# Altium PCB AMDC_uAMDC_Overlay.PcbDoc (part 5 of 6)
Units mil, origin at the board's own origin, x right, y up, seen from the top; angles counter-clockwise.
Board outline 4335 x 5120 mil, 6 copper layers (Top Layer, Int1 (GND), Int2 (Sign), Int3 (Sign), Int4 (PWR), Bottom Layer), stack 55.468 mil thick; 396 components, 471 nets, 2094 pads, 683 vias.
Unrouted connection lines stored in the file: 618.
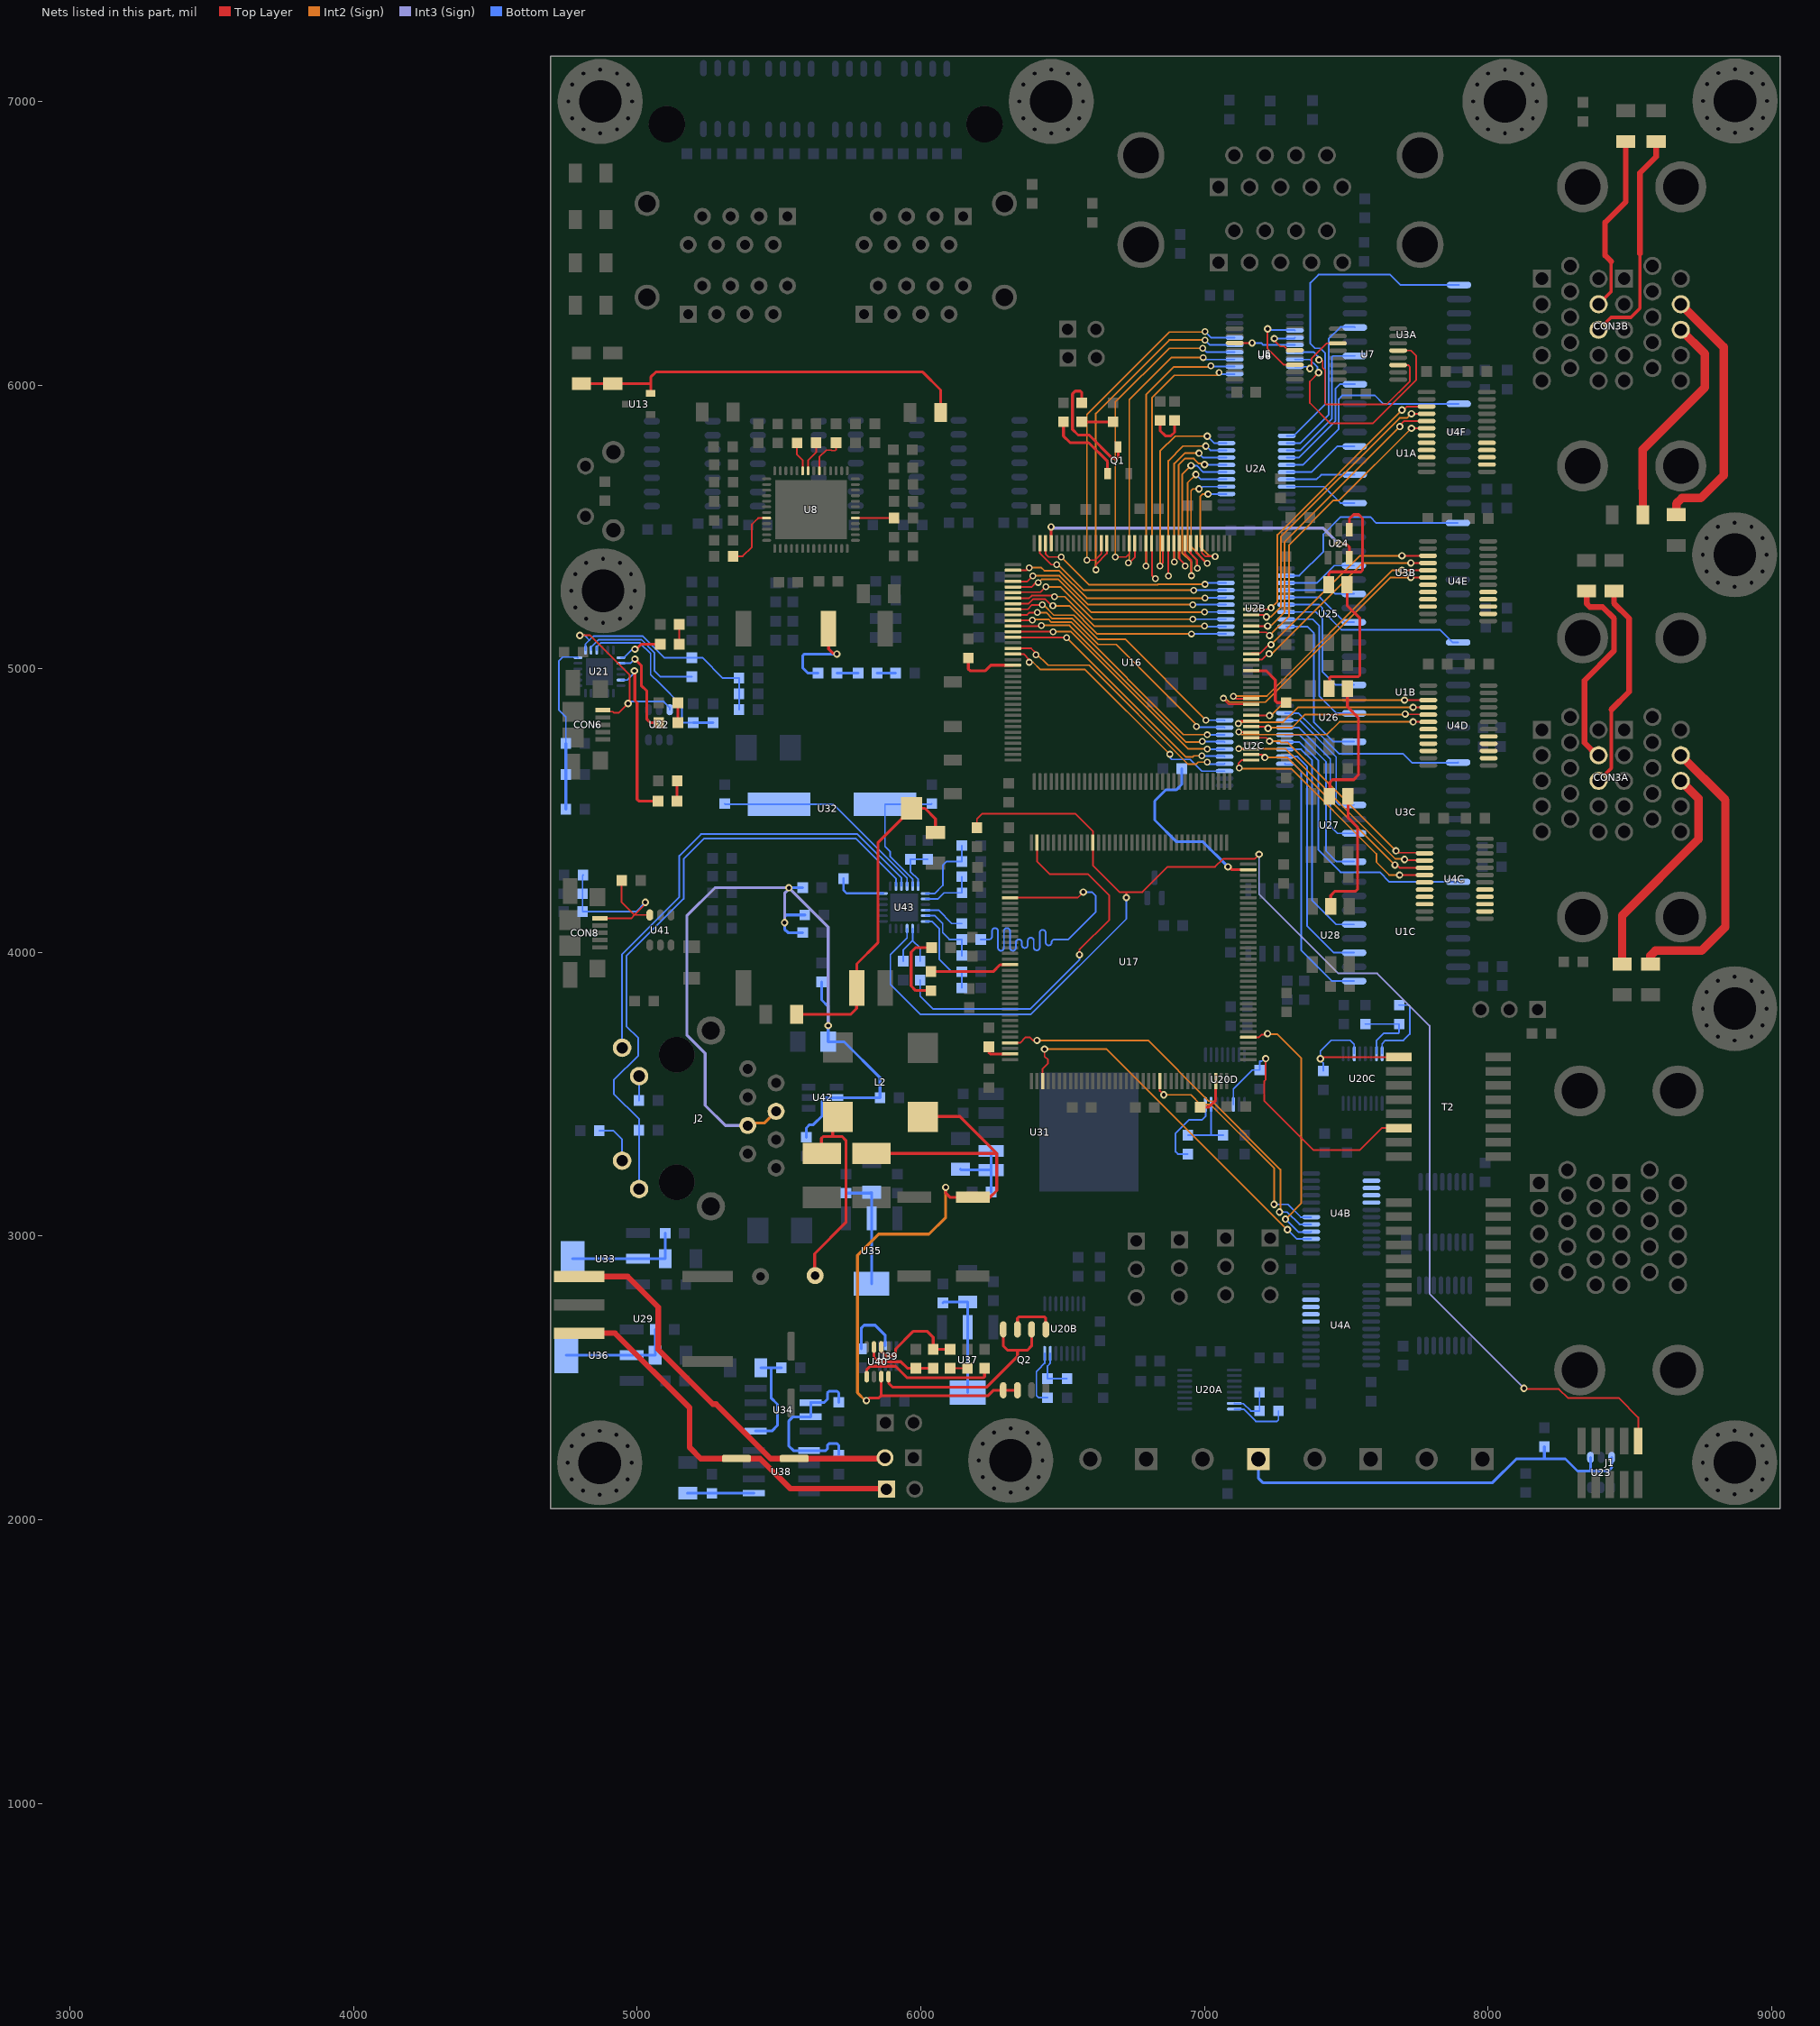
[diagram p8: the nets of this part, all layers, seen from the top]

## Via types
v1: diameter 26, hole 14, Top Layer to Bottom Layer, tented both sides, 326 vias
v2: diameter 26, hole 14, Top Layer to Bottom Layer, 288 vias
v3: diameter 24, hole 14, Top Layer to Bottom Layer, 57 vias
v4: diameter 24, hole 14, Top Layer to Bottom Layer, tented both sides, 5 vias
v5: diameter 19.68, hole 7.87, Top Layer to Bottom Layer, 4 vias
v6: diameter 60, hole 20, Top Layer to Bottom Layer, tented both sides, 3 vias

## Nets (pads, with @x,y where several pads share a name; then routed paths per layer and width w, separated by ;. In a path a pad name is that pad's centre, name@x,y a point inside that pad or via, vN(x,y) a via of type N, cw(c..) or ccw(c..) an arc to the next point about the centre after c; other vN are vias at no path point) (continued)
IPC: R105.1 T2.1 U20C.11 | length 527.9
  Top Layer w6: v2(7409.15,3625.37) 7414.51,3630.73 7685.73,3630.73 T2.1@7686,3631
  Bottom Layer w6: R105.1@7419.35,3582.46 7419.35,3610.17 7409.15,3620.37 v2(7409.15,3625.37) 7409.15,3652.45 7447.15,3690.45 7514.55,3690.45 7528.47,3676.53 U20C.11@7528.47,3642.87
IPD: R106.1 T2.6 U20D.11 | length 960.3
  Top Layer w6: v2(7216.51,3625.72) 7216.51,3551.41 7211,3545.9 7211,3477 7384,3304 7548.27,3304 7625.27,3381 T2.6@7686,3381
  Bottom Layer w6: U20D.11@7102.53,3464.4 7102.53,3518.54 7169.46,3585.46 R106.1@7195.68,3585.46 7195.68,3616.56 7201.93,3616.56 7211.1,3625.72 v2(7216.51,3625.72)
LED0: LED1.A U17.55 | length 288.9
  Top Layer w10: LED1.A@6036,3932.46 6255.36,3932.46 6279.47,3956.57 6314.2,3956.57 U17.55@6314.71,3957.08
LV_ENC_1A: U6.21 U16.96 | length 1262.5
  Top Layer w6: v3(6586,5383) 6615.03,5383 6636.81,5404.78 U16.96@6636.81,5442.66
  Int2 (Sign) w6: v3(6586,5383) 6586,5897 6876,6187 7000.31,6187 v4(7002.3,6189)
  Bottom Layer w6: v4(7002.3,6189) 7024.33,6166.98 U6.21@7106.7,6166.98
LV_ENC_1B: U6.20 U16.95 | length 1265.7
  Top Layer w6: v3(6617.13,5348.75) 6617.13,5367.13 6656.5,5406.5 U16.95@6656.5,5442.66
  Int2 (Sign) w6: v3(6617.13,5348.75) 6617.13,5900.12 6876,6159 v3(7002.3,6159)
  Bottom Layer w6: v3(7002.3,6159) 7019.92,6141.39 U6.20@7106.7,6141.39
LV_ENC_1Z: U6.19 U16.91 | length 1142.6
  Top Layer w6: v3(6686,5394) 6724,5394 6735.24,5405.24 U16.91@6735.24,5442.66
  Int2 (Sign) w6: v3(6686,5394) 6686,5940 6876,6130 v3@6993,6130
  Bottom Layer w6: v3@6993,6130 v3(6994.29,6130) 7008.49,6115.8 U6.19@7106.7,6115.8
LV_ENC_2A: U6.18 U16.90 | length 1094.4
  Top Layer w6: v3(6731.92,5373.02) 6735.26,5373.02 6754.92,5392.69 U16.90@6754.92,5442.66
  Int2 (Sign) w6: v3(6731.92,5373.02) 6735.24,5376.33 6735.24,5949.24 6883.2,6097.2 v4@6993,6097.2
  Bottom Layer w6: v4@6993,6097.2 6997.87,6097.2 7004.87,6090.2 U6.18@7106.7,6090.2
  other v4: 6995.44,6097.2
LV_ENC_2B: U6.17 U16.88 | length 1039
  Top Layer w6: v3(6794.29,5362.72) U16.88@6794.29,5442.66
  Int2 (Sign) w6: v3(6794.29,5362.72) 6794.29,5966.29 6892.31,6064.31 7019.43,6064.31 v3(7022.53,6067.4)
  Bottom Layer w6: v3(7022.53,6067.4) 7023.92,6066.01 7105.31,6066.01 U6.17@7106.7,6064.61
LV_ENC_2Z: U6.16 U16.87 | length 1105.9
  Top Layer w6: U16.87@6813.98,5442.66 6815.29,5441.35 6815.29,5329.47 v3(6827,5317.76)
  Int2 (Sign) w6: v3(6827,5317.76) 6815.29,5329.47 6815.29,5954.96 6894.88,6034.55 7048.68,6034.55 7048.75,6034.62 7048.75,6039.99 v3(7052.2,6043.43)
  Bottom Layer w6: v3(7052.2,6043.43) 7055.71,6039.92 7055.71,6039.02 U6.16@7106.7,6039.02
LV_INV1_PWM1: U2B.6 U16.113 | length 812.9
  Top Layer w6: U16.113@6325,5288.33 6390.93,5288.33 6410.2,5307.6 v3(6413.67,5304.13)
  Int2 (Sign) w6: v3(6413.67,5304.13) 6416.15,5304.13 6427.72,5315.7 6484.49,5315.7 6600.19,5200 v3(7001,5200)
  Bottom Layer w6: v3(7001,5200) 7001.2,5200.2 U2B.6@7075.7,5200.2
LV_INV1_PWM2: U2B.5 U16.114 | length 806.5
  Top Layer w6: U16.114@6325,5268.65 6326.35,5270 6421.47,5270 6440.47,5289 v3(6441.23,5289)
  Int2 (Sign) w6: v3(6441.23,5289) 6491.87,5289 6606.26,5174.61 v3(6959.36,5174.61)
  Bottom Layer w6: v3(6959.36,5174.61) U2B.5@7075.7,5174.61
LV_INV1_PWM3: U2B.4 U16.115 | length 799.6
  Top Layer w6: U16.115@6325,5248.96 6382.41,5248.96 6391.45,5258 6467.21,5258 v3(6470.94,5254.27)
  Int2 (Sign) w6: v3(6470.94,5254.27) 6508.25,5254.27 6611.99,5150.54 v3(7001,5150.54)
  Bottom Layer w6: v3(7001,5150.54) 7002.51,5149.02 U2B.4@7075.7,5149.02
LV_INV1_PWM4: U2B.3 U16.116 | length 808.8
  Top Layer w6: U16.116@6325,5229.28 6379.69,5229.28 6396.42,5246 6437.7,5246 6461.7,5222 v3(6466,5222)
  Int2 (Sign) w6: v3(6466,5222) 6523.55,5222 6622.55,5123 v3(6955,5123)
  Bottom Layer w6: v3(6955,5123) 6955.22,5123.22 7075.48,5123.22 U2B.3@7075.7,5123.43
LV_INV1_PWM5: U2C.10 U16.117 | length 921.2
  Top Layer w6: U16.117@6325,5209.59 6376.98,5209.59 6392.39,5225 v3(6429,5225)
  Int2 (Sign) w6: v3(6429,5225) 6433.12,5225 6469.12,5189 6539.58,5189 6624.1,5104.49 6720.51,5104.49 v3(7006,4819)
  Bottom Layer w6: v3(7006,4819) 7006.3,4818.7 7071.11,4818.7 U2C.10@7071.4,4818.41
LV_INV1_PWM6: U2C.9 U16.118 | length 922.1
  Top Layer w6: U16.118@6325,5189.91 6374.96,5189.91 6382.3,5197.25 6410.62,5197.25 v3(6411.67,5198.3)
  Int2 (Sign) w6: v3(6411.67,5198.3) 6442.85,5198.3 6464.15,5177 6534.61,5177 6625.97,5085.64 6689.36,5085.64 6968.01,4806.99 6968.01,4799.65 v3(6971.46,4796.2)
  Bottom Layer w6: v3(6971.46,4796.2) 6973.15,4794.51 7069.71,4794.51 U2C.9@7071.4,4792.82
LV_INV2_PWM1: U2C.4 U16.124 | length 934.8
  Top Layer w6: U16.124@6325,5071.8 6389.62,5071.8 6405.78,5055.64 6406,5055.41 v3(6406,5049)
  Int2 (Sign) w6: v3(6406,5049) 6406,5053.67 6406.87,5054.54 6448.67,5012.74 6593.45,5012.74 6942.69,4663.5 6970.58,4663.5 6978.08,4671 v3(7010.84,4671)
  Bottom Layer w6: v3(7010.84,4671) 7014.35,4667.49 7014.35,4664.18 7070.72,4664.18 U2C.4@7071.4,4664.87
LV_INV2_PWM2: U2C.5 U16.122 | length 924.1
  Top Layer w6: U16.122@6325,5111.17 6326.31,5109.85 v3(6515,5109.85)
  Int2 (Sign) w6: v3(6515,5109.85) 6935.85,4689 6958.72,4689 6962.91,4693.19 v3(6990.65,4693.19)
  Bottom Layer w6: v3(6990.65,4693.19) 6991.83,4692 7069.86,4692 U2C.5@7071.4,4690.46
LV_INV2_PWM3: U2C.6 U16.121 | length 918.2
  Top Layer w6: U16.121@6325,5130.85 v3(6467.21,5130.85)
  Int2 (Sign) w6: v3(6467.21,5130.85) 6529.85,5130.85 6943.23,4717.46 v3(7010.84,4717.46)
  Bottom Layer w6: v3(7010.84,4717.46) 7011.55,4716.76 7070.69,4716.76 U2C.6@7071.4,4716.05
LV_INV2_PWM4: U2C.7 U16.120 | length 919.6
  Top Layer w6: U16.120@6325,5150.54 6423.54,5150.54 v3(6426,5153)
  Int2 (Sign) w6: v3(6426,5153) 6524.67,5153 6936.03,4741.64 6990.05,4741.64 v3(6992.17,4743.76)
  Bottom Layer w6: v3(6992.17,4743.76) 6993.23,4742.7 7070.34,4742.7 U2C.7@7071.4,4741.64
LV_INV2_PWM5: U2C.8 U16.119 | length 916.5
  Top Layer w6: U16.119@6325,5170.22 6392.22,5170.22 v3(6394,5172)
  Int2 (Sign) w6: v3(6394,5172) 6396,5174 6450.18,5174 6459.18,5165 6529.64,5165 6926.64,4768 7010.08,4768 v3(7010.83,4767.25)
  Bottom Layer w6: v3@7010.84,4767.24 U2C.8@7071.4,4767.23
LV_INV2_PWM6: U2C.3 U16.125 | length 929.7
  Top Layer w6: U16.125@6325,5052.11 6362.88,5052.11 6382.57,5032.42 v3(6382.57,5023)
  Int2 (Sign) w6: v3(6382.57,5023) 6395.99,5023 6420.99,4998 6578.49,4998 v3(6877.71,4698.78)
  Bottom Layer w6: v3(6877.71,4698.78) 6881.16,4695.34 6881.16,4683.84 6884.53,4680.47 6949.53,4680.47 6990.72,4639.28 U2C.3@7071.4,4639.28
LV_INV3_PWM1: U2A.10 U16.85 | length 754
  Top Layer w6: v3(6843.87,5362.72) 6853.35,5372.19 U16.85@6853.35,5442.66
  Int2 (Sign) w6: v3(6843.87,5362.72) 6843.87,5766.87 6897,5820 v1(7010,5820)
  Bottom Layer w6: v1(7010,5820) 7034.43,5795.57 U2A.10@7077.7,5795.57
LV_INV3_PWM2: U2A.9 U16.84 | length 754.2
  Top Layer w6: v3(6873.03,5327) U16.84@6873.03,5442.66
  Int2 (Sign) w6: v3(6873.03,5327) 6873.03,5733.13 6924.9,5785 v1(7005,5785)
  Bottom Layer w6: v1(7005,5785) 7006.07,5785 7021.09,5769.98 U2A.9@7077.7,5769.98
LV_INV3_PWM3: U2A.8 U16.83 | length 619.9
  Top Layer w6: U16.83@6892.72,5442.66 6893.37,5442 6893.37,5376.66 v3(6894.03,5376)
  Int2 (Sign) w6: v3(6894.03,5376) 6894.03,5723.41 6930.62,5760 v1(6981,5760)
  Bottom Layer w6: v1(6981,5760) 6996.61,5744.39 U2A.8@7077.7,5744.39
LV_INV3_PWM4: U2A.7 U16.82 | length 640.2
  Top Layer w6: U16.82@6912.4,5442.66 6912.4,5387.28 6932.09,5367.59 v3(6932.09,5362.72)
  Int2 (Sign) w6: v3(6932.09,5362.72) 6932.09,5367.59 6909.87,5389.81 6909.87,5719.85 6931.02,5741 6962.91,5741 6980.61,5723.3 6997.48,5723.3 v1(7000.93,5719.85)
  Bottom Layer w6: v1(7000.93,5719.85) 7001.46,5719.32 7077.17,5719.32 U2A.7@7077.7,5718.8
LV_INV3_PWM5: U2A.6 U16.81 | length 672.3
  Top Layer w6: U16.81@6932.09,5442.66 6932.09,5404.87 6954,5382.95 v3(6954,5328.16)
  Int2 (Sign) w6: v1(6953.1,5716.39) 6921.87,5685.16 6921.87,5408.78 6954,5376.66 v3(6954,5328.16)
  Bottom Layer w6: v1(6953.1,5716.39) 6973.28,5716.39 6996.46,5693.2 U2A.6@7077.7,5693.2
LV_INV3_PWM6: U2A.5 U16.80 | length 570.1
  Top Layer w6: U16.80@6951.77,5442.66 6951.77,5406.18 6975,5382.95 v3(6975,5354.03)
  Int2 (Sign) w6: v2(6970,5685) 6941.1,5656.1 6941.1,5416.86 6972.77,5385.18 6972.77,5356.26 v3(6975,5354.03)
  Bottom Layer w6: v2(6970,5685) 6987.39,5667.61 U2A.5@7077.7,5667.61
LV_INV4_PWM1: U2B.8 U16.110 | length 799.8
  Top Layer w6: U16.110@6325,5347.39 6373.44,5347.39 v3(6382.3,5356.25)
  Int2 (Sign) w6: v3(6382.3,5356.25) 6425.53,5356.25 6435.71,5346.07 6488.06,5346.07 6585.17,5248.96 v3(7002.53,5248.96)
  Bottom Layer w6: v3(7002.53,5248.96) 7003.74,5250.17 7074.49,5250.17 U2B.8@7075.7,5251.39
LV_INV4_PWM2: U2B.9 U16.107 | length 744.8
  Top Layer w6: U16.107@6420.28,5442.66 6420.28,5407.28 6460.48,5367.07 v3(6479.33,5367.07)
  Int2 (Sign) w6: v3(6479.33,5367.07) 6484.03,5367.07 6574.13,5276.98 v3(6963,5276.98)
  Bottom Layer w6: v3(6963,5276.98) U2B.9@7075.7,5276.98
LV_INV4_PWM3: U2B.10 U16.106 | length 720.8
  Top Layer w6: U16.106@6439.96,5442.66 6439.96,5404.78 6450.74,5394 v3(6494.86,5394)
  Int2 (Sign) w6: v3(6494.86,5394) 6592.1,5296.76 6835.7,5296.76 6836.91,5297.98 v3(7002.53,5297.98)
  Bottom Layer w6: v3(7002.53,5297.98) 7005.52,5297.98 7010.11,5302.57 U2B.10@7075.7,5302.57
LV_INV4_PWM4: U2A.3 U16.78 | length 426.4
  Top Layer w6: U16.78@6991.14,5442.66 6991.19,5442.61 6991.19,5408.34 7003.54,5396 v3(7038,5396)
  Int2 (Sign) w6: v2(7013,5615.83) 7012.83,5616 6994.71,5616 6985,5606.29 6985,5430.54 7017,5398.54 7035.46,5398.54 v3(7038,5396)
  Bottom Layer w6: v2(7013,5615.83) 7013.3,5616.13 7077.4,5616.13 U2A.3@7077.7,5616.43
LV_INV4_PWM5: U2A.4 U16.79 | length 498.1
  Top Layer w6: U16.79@6971.46,5442.66 6971.56,5442.56 6971.56,5408.4 7007.76,5372.19 v3(7010.83,5372.19)
  Int2 (Sign) w6: v2(6981,5634) 6960.13,5634 6953.1,5626.97 6953.1,5429.93 v3(7010.83,5372.19)
  Bottom Layer w6: v2(6981,5634) 6986.41,5634 6994.44,5642.02 U2A.4@7077.7,5642.02
LV_INV4_PWM6: U2B.7 U16.112 | length 801.1
  Top Layer w6: U16.112@6325,5308.02 6375.43,5308.02 v3(6395.11,5327.7)
  Int2 (Sign) w6: v3(6395.11,5327.7) 6489.46,5327.7 6591.16,5226 v3(6959,5226)
  Bottom Layer w6: v3(6959,5226) 6959.2,5225.8 U2B.7@7075.7,5225.8
LV_INV_STS_A1: U4C.3 U16.41 | length 782.3
  Top Layer w6: U16.41@7165.16,4756.83 7218.17,4756.83 v1(7230,4745) ; v2(7675.52,4358.52) 7679.03,4355 7679.03,4351.43 7774.84,4351.43 U4C.3@7776.7,4349.57
  Int2 (Sign) w6: v1(7230,4745) 7265.96,4745 7270.96,4740 7294.03,4740 v2(7675.52,4358.52)
LV_INV_STS_A2: U4C.4 U16.39 | length 863.3
  Top Layer w6: v3(7121,4718) 7121.27,4717.73 7164.89,4717.73 U16.39@7165.16,4717.46 ; v2(7706,4327.57) 7707.8,4325.77 7774.91,4325.77 U4C.4@7776.7,4323.98
  Int2 (Sign) w6: v3(7121,4718) 7284.92,4718 7672.81,4330.11 7703.45,4330.11 v2(7706,4327.57)
LV_INV_STS_A3: U4C.5 U16.38 | length 777.7
  Top Layer w6: U16.38@7165.16,4697.78 7202.7,4697.78 v1(7213.21,4687.26) ; v2(7672,4308.11) 7672.9,4309.01 7677.87,4309.01 7688.5,4298.39 U4C.5@7776.7,4298.39
  Int2 (Sign) w6: v1(7213.21,4687.26) 7292.85,4687.26 v2(7672,4308.11)
LV_INV_STS_A4: U4C.6 U16.37 | length 893.6
  Top Layer w6: v3(7123.7,4650.34) 7121,4653.04 7121,4667.91 7130.99,4677.89 7164.96,4677.89 U16.37@7165.16,4678.09 ; v1(7688.5,4272.8) U4C.6@7776.7,4272.8
  Int2 (Sign) w6: v3(7123.7,4650.34) 7126.04,4648 7306.24,4648 7607,4347.24 7607,4318 7651.5,4273.5 7687.79,4273.5 v1(7688.5,4272.8)
LV_INV_STS_B1: U4D.3 U16.45 | length 647.4
  Top Layer w6: U16.45@7165.16,4835.57 7229.43,4835.57 v1(7230,4835) ; v2(7706,4889.57) U4D.3@7789.7,4889.57
  Int2 (Sign) w6: v1(7230,4835) 7234.74,4835 7289.31,4889.57 v2(7706,4889.57)
LV_INV_STS_B2: U4D.4 U16.44 | length 744
  Top Layer w6: v3(7119.36,4806.88) 7122.24,4809.76 7122.24,4810.54 7127.59,4815.89 U16.44@7165.16,4815.89 ; v2(7736,4863.98) U4D.4@7789.7,4863.98
  Int2 (Sign) w6: v3(7119.36,4806.88) 7124.48,4812 7277.85,4812 7329.83,4863.98 v2(7736,4863.98)
LV_INV_STS_B3: U4D.5 U16.43 | length 649
  Top Layer w6: U16.43@7165.16,4796.2 7213.38,4796.2 7219.59,4790 v1(7225,4790) ; v2(7708.28,4840.66) 7709.42,4839.52 7788.56,4839.52 U4D.5@7789.7,4838.39
  Int2 (Sign) w6: v1(7225,4790) 7227.42,4792.42 7308.19,4792.42 7354.16,4838.39 7706,4838.39 v2(7708.28,4840.66)
LV_INV_STS_B4: U4D.6 U16.42 | length 733.4
  Top Layer w6: v3(7122,4777) 7122.24,4776.76 7164.92,4776.76 U16.42@7165.16,4776.52 ; v2(7736.07,4812.87) 7736.11,4812.83 U4D.6@7789.7,4812.8 U4D.6@7789.7,4812.8
  Int2 (Sign) w6: v3(7122,4777) 7131,4768 7431.89,4768 7476.68,4812.8 7736,4812.8 v2(7736.07,4812.87)
LV_INV_STS_C1: U4E.3 U16.56 | length 766.7
  Top Layer w6: U16.56@7165.16,5052.11 7167.67,5054.62 7196.87,5054.62 7227.24,5085 v1(7235,5085) ; v2(7697,5398.41) U4E.3@7788.4,5398.41
  Int2 (Sign) w6: v1(7235,5085) 7235.34,5085 7236.23,5085.89 7548.75,5398.41 v2(7697,5398.41)
LV_INV_STS_C2: U4E.4 U16.55 | length 770.9
  Top Layer w6: U16.55@7165.16,5032.43 7202.43,5032.43 7223,5053 v1(7228.41,5053) ; v2(7728,5372.82) U4E.4@7788.4,5372.82
  Int2 (Sign) w6: v1(7228.41,5053) 7226.36,5053 7225.47,5052.11 7237.11,5052.11 7557.82,5372.82 v2(7728,5372.82)
LV_INV_STS_C3: U4E.5 U16.48 | length 936.9
  Top Layer w6: v3(7102.21,4903.21) 7103.79,4903.21 7112.69,4894.31 7164.84,4894.31 U16.48@7165.16,4894.63 ; v2(7697,5347.23) U4E.5@7788.4,5347.23
  Int2 (Sign) w6: v3(7102.21,4903.21) 7103,4904 7220.78,4904 7664.01,5347.23 v2(7697,5347.23)
LV_INV_STS_C4: U4E.6 U16.47 | length 1015.8
  Top Layer w6: v3(7068,4896) 7068,4893 7086.06,4874.94 U16.47@7165.16,4874.94 ; v2(7728,5321.64) U4E.6@7788.4,5321.64
  Int2 (Sign) w6: v3(7068,4896) 7074,4896 7087.79,4882.21 7215.96,4882.21 7655.39,5321.64 v2(7728,5321.64)
LV_INV_STS_D1: U4F.3 U16.64 | length 1052.4
  Top Layer w6: U16.64@7165.16,5209.59 7229.59,5209.59 v1(7235,5215) ; v2(7697,5912) 7702.41,5912 7714.98,5924.57 U4F.3@7783.7,5924.57
  Int2 (Sign) w6: v1(7235,5215) 7257.48,5237.48 7257.48,5472.48 v2(7697,5912)
LV_INV_STS_D2: U4F.4 U16.63 | length 1063
  Top Layer w6: U16.63@7165.16,5189.91 7211.42,5189.91 v1(7218.79,5182.54) ; v2(7730,5898.98) U4F.4@7783.7,5898.98
  Int2 (Sign) w6: v1(7218.79,5182.54) 7233.65,5182.54 7269.48,5218.37 7269.48,5465.26 7688.22,5884 7713.86,5884 7728.84,5898.98 v2(7730,5898.98)
LV_INV_STS_D3: U4F.5 U16.61 | length 1065.8
  Top Layer w6: U16.61@7165.16,5150.54 v1(7223.34,5150.54) ; v2(7689.24,5853.91) 7689.24,5858.09 7704.53,5873.39 U4F.5@7783.7,5873.39
  Int2 (Sign) w6: v1(7223.34,5150.54) 7226.78,5153.98 7237.23,5153.98 7282.25,5199 7282.25,5447.25 7688.91,5853.91 v2(7689.24,5853.91)
LV_INV_STS_D4: U4F.6 U16.60 | length 1073.8
  Top Layer w6: U16.60@7165.16,5130.85 7167.47,5128.54 7218.42,5128.54 v1(7229.95,5117) ; v2(7730,5847.8) U4F.6@7783.7,5847.8
  Int2 (Sign) w6: v1(7229.95,5117) 7299,5186.05 7299,5436.68 7455.9,5593.59 7475.79,5593.59 v2(7730,5847.8)
LV_RGB_LED: U16.105 U24.3 | length 1175.3
  Top Layer w10: U16.105@6459.65,5442.66 v1(6459.65,5500) ; v1(7476,5439) 7501.31,5439 7511.19,5429.12 U24.3@7511.19,5392.05
  Int3 (Sign) w10: v1(6459.65,5500) 6463.65,5496 7419,5496 v1(7476,5439)
NetC13_1: C13.1 U8.45 | length 136.4
  Top Layer w6: U8.45@5769.5,5531.47 C13.1@5905.87,5531.47
NetC14_1: C14.1 U8.6 | length 144
  Top Layer w6: U8.6@5642.53,5697.81 5642.53,5746.41 5666.71,5770.6 5684.94,5770.6 5686.58,5768.96 5698.07,5768.96 5701.58,5772.48 C14.1@5701.58,5796.66
NetC15_1: C15.1 U8.9 | length 106.2
  Top Layer w6: C15.1@5563.79,5795.89 5563.79,5754.78 5583.47,5735.09 U8.9@5583.47,5697.81
NetC16_1: C16.1 U8.22 | length 220.9
  Top Layer w6: C16.1@5338.46,5396.79 5372.49,5396.79 5404.54,5428.84 5404.54,5509.28 5417.25,5521.99 5426.73,5531.47 U8.22@5456.5,5531.47
NetC17_1: C17.1 U8.8 | length 110.4
  Top Layer w6: U8.8@5603.16,5697.81 5603.16,5735.09 5631,5762.93 C17.1@5631,5796.66
NetC62_2: C62.2 U16.127 | length 207
  Top Layer w10: C62.2@6168,5038.33 6168,4998.91 6173.86,4993.06 6227.87,4993.06 6247.56,5012.74 U16.127@6325,5012.74
NetC63_2: C63.2 U16.53 | length 212.4
  Top Layer w10: U16.53@7165.16,4993.06 7217.56,4993.06 7250.32,4960.3 7250.32,4886.71 7256.18,4880.85 C63.2@7288,4880.85
NetC68_1: C68.1 U17.71 | length 96.9
  Top Layer w10: C68.1@6240,3667.71 6240,3647.98 6245.86,3642.12 U17.71@6314.71,3642.12
NetC69_1: C69.1 U17.106 | length 132.2
  Top Layer w10: C69.1@6985.46,3454.09 7014.36,3454.09 7039.91,3479.64 U17.106@7039.91,3546.84
NetC98_1: C98.1 C99.1 C100.1 CON6.1 R50.2 U21.7 U22.6 | length 1396.2
  Top Layer w6: v2(4798.2,5117.8) 4834.45,5117.8 4973.8,4978.44 4973.8,4883.66 v2(4968,4877.85) 4968,4877.36 4935.9,4845.25 4917.67,4845.25 4913.89,4849.03 4884.19,4849.03 CON6.1@4879.31,4853.91
  Bottom Layer w6: v2(4798.2,5117.8) 4815.15,5117.8 4832.07,5100.87 ; U21.7@4817.94,5065.57 4817.94,5086.75 4832.07,5100.87 ; v2(4968,4877.85) 4974.71,4884.56 5094.2,4884.56 5115.01,4863.75 U22.6@5115.01,4855.87 ; C100.1@5359.41,4855.94 C99.1@5359.41,4912 C98.1@5359.41,4966.94 5302.06,4966.94 5230,5039 R50.2@5192.75,5039 5095.97,5039 5019.97,5115 4846.2,5115 4832.07,5100.87